# Altium PCB STM32F103最小系统板.PcbDoc (part 2 of 2) (continued)
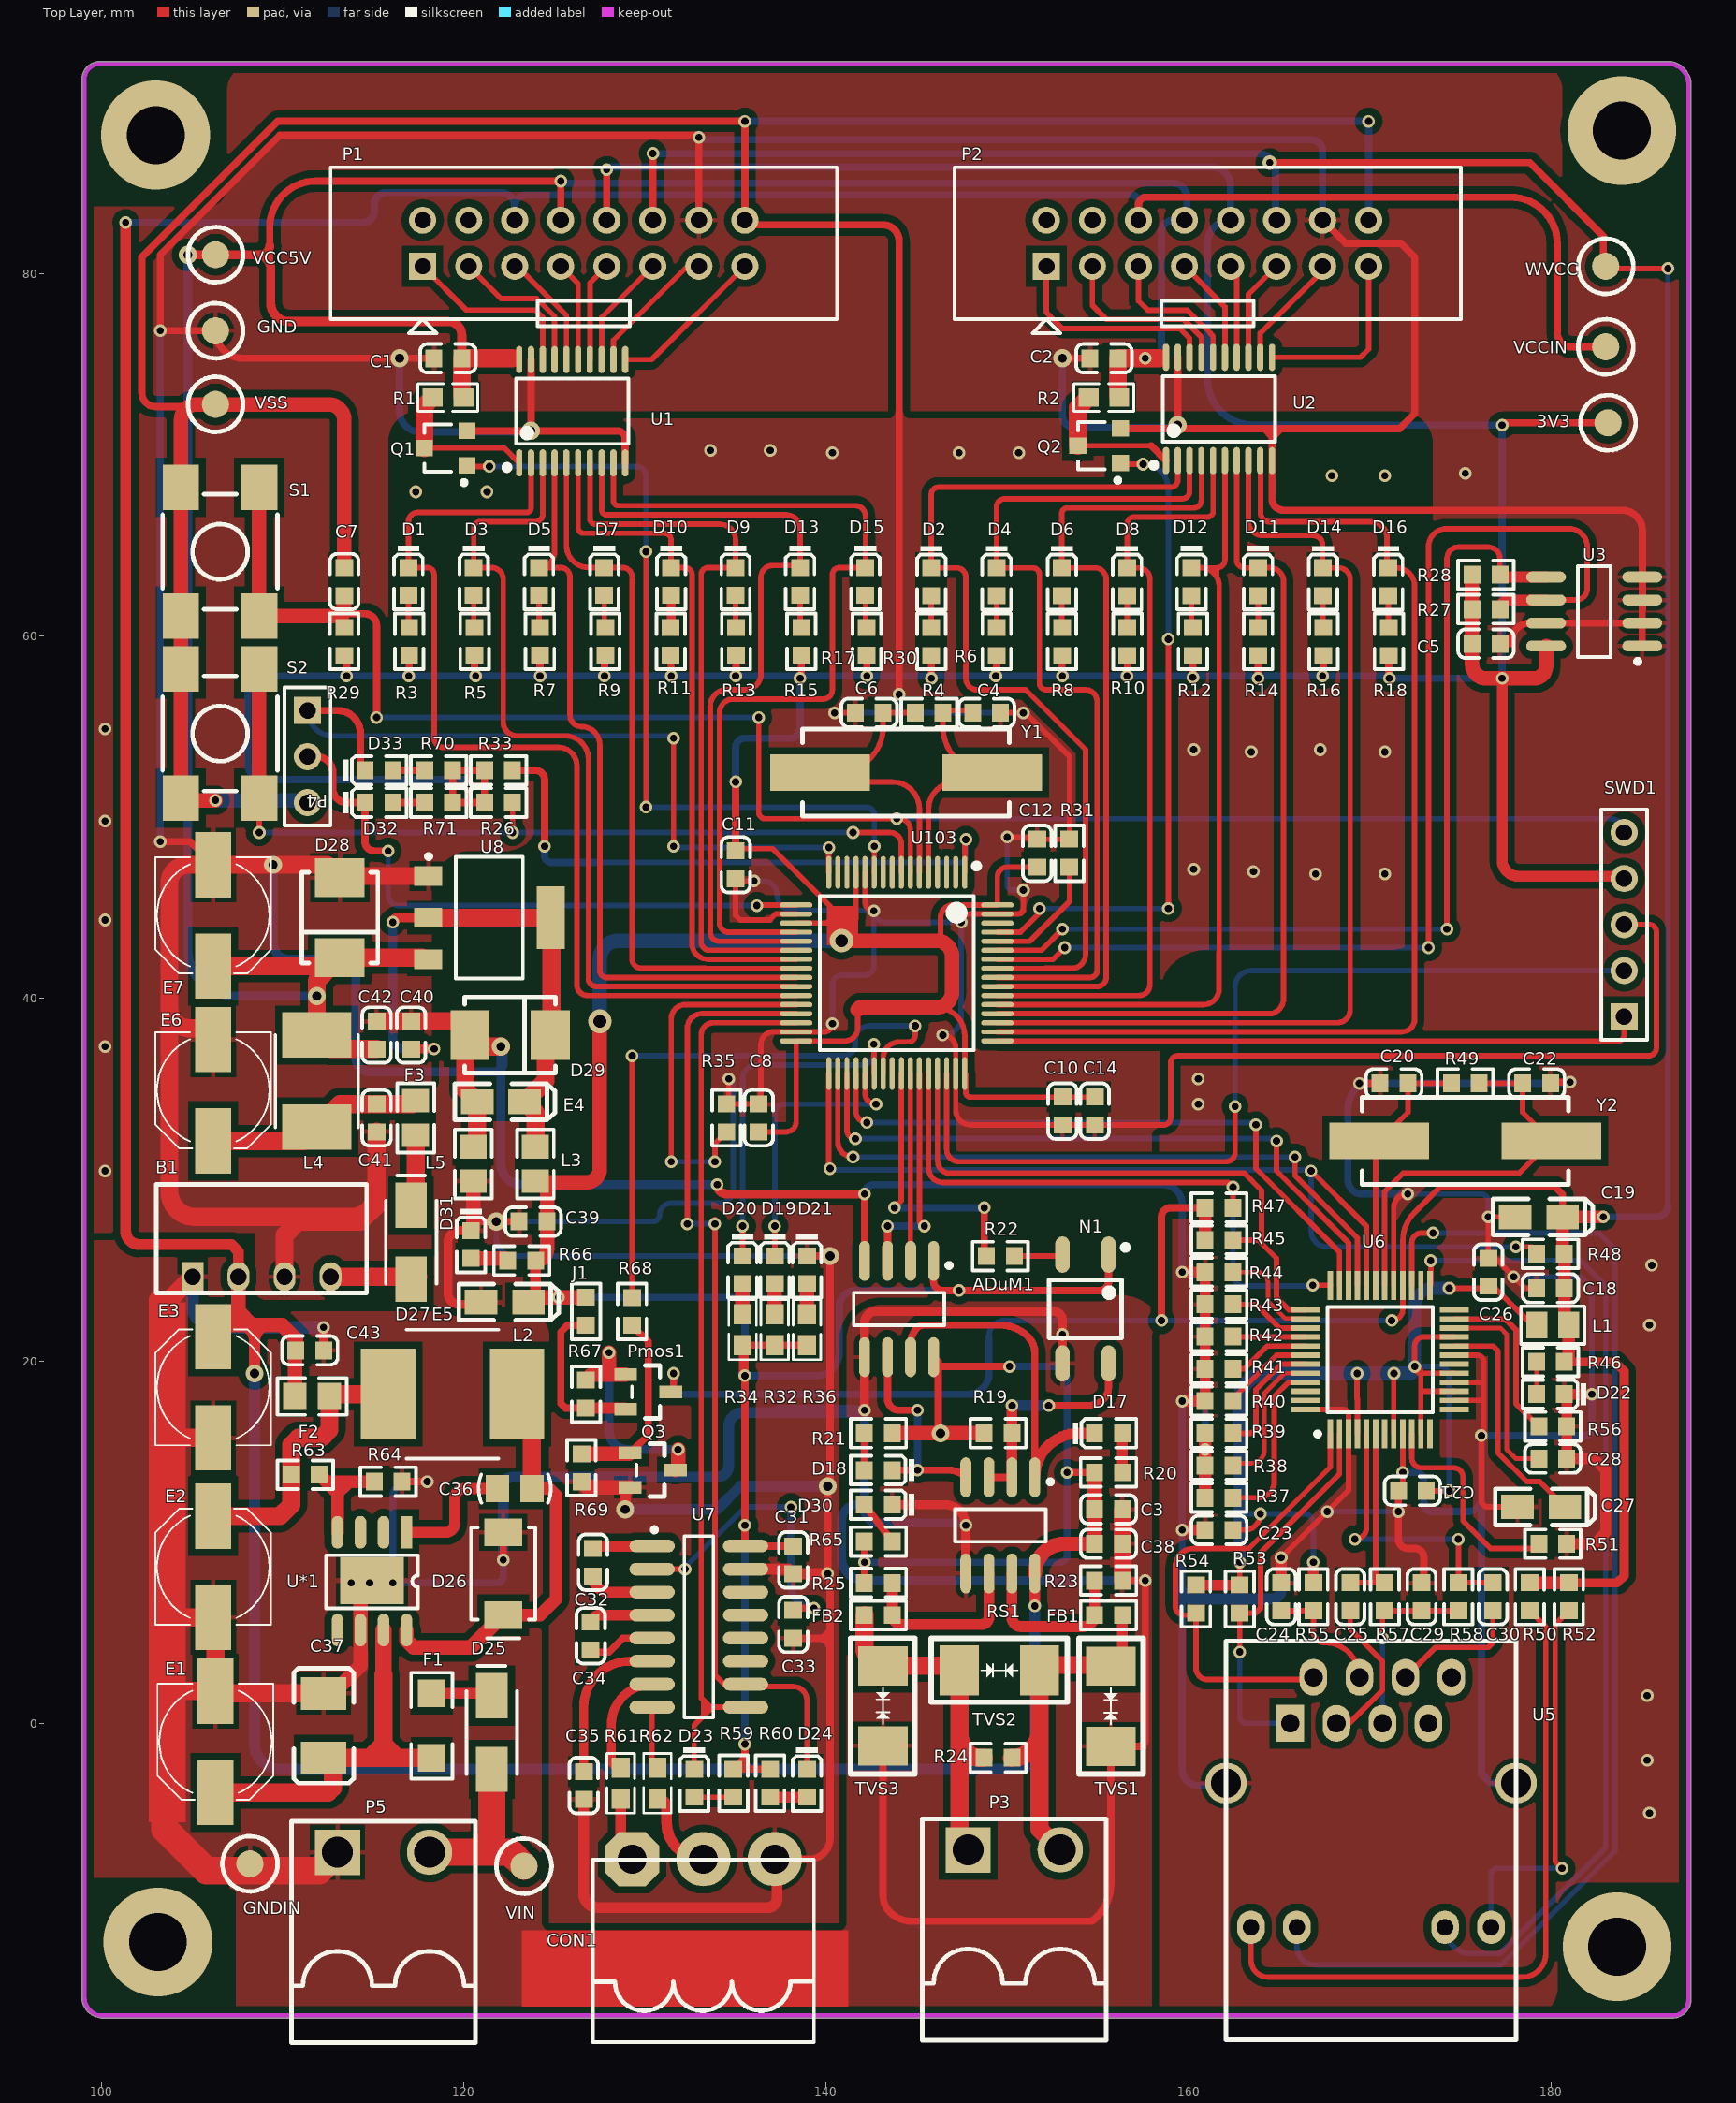
[diagram p0: Top Layer view]
## Nets (pads, with @x,y where several pads share a name; then routed paths per layer and width w, separated by ;. In a path a pad name is that pad's centre, name@x,y a point inside that pad or via, vN(x,y) a via of type N, cw(c..) or ccw(c..) an arc to the next point about the centre after c; other vN are vias at no path point) (continued)
NetR51_1: R51.1 U6.10 | length 12.1
  Top Layer w0.3: U6.10@172.311,15.966 172.311,14.633 ccw(c172.847,14.633) 172.847,14.097 174.625,14.097 cw(c174.625,13.589) 175.133,13.589 175.133,11.176 176.657,9.652 179.062,9.652 R51.1@179.316,9.906
NetR52_1: R52.1 U5.12 | length 21.7
  Top Layer w0.3: v1(180.594,-8.001) 180.213,-7.62 180.213,5.453 R52.1@180.975,6.215
  Bottom Layer w0.3: U5.12@176.682,-11.25 176.682,-8.23 176.911,-8.001 v1(180.594,-8.001)
NetR56_1: R56.1 U6.23 | length 9.5
  Top Layer w0.3: U6.23@174.661,22.316 177.455,22.316 178.054,21.717 178.054,17.645 R56.1@179.316,16.383
NetR63_1: R63.1 R64.2 U*1.4 | length 7.1
  Top Layer w0.7: R63.1@112.022,13.716 R63.1@112.403,13.335 ; U*1.4@113.03,10.541 113.03,12.708 ; R64.2@115.054,13.335 113.538,13.335 ; R63.1@112.403,13.335 113.03,12.708 ; R63.1@112.403,13.335 113.538,13.335 ; 113.03,12.708 113.538,13.216 113.538,13.335
NRST: C7.2 R29.1 S1.2 S1.3 SWD1.5 U103.7 | length 99.4
  Top Layer w0.3: v1(136.271,55.499) 136.271,50.292 ccw(c136.652,50.292) 136.652,49.911 v1(143.891,49.911) 144.03,49.911 cw(c144.03,49.3) 144.641,49.3 U103.7@144.641,46.952
  Top Layer w0.4: 113.411,61.214 114.554,61.214 cw(c114.554,60.579) 115.189,60.579 v1(115.189,55.499)
  Top Layer w0.5: R29.1@113.411,60.46 113.411,61.214 113.411,61.849 C7.2@113.411,62.222
  Top Layer w0.8: S1.3@108.712,68.199 S1.2@108.712,61.087 112.649,61.087 ccw(c112.649,61.849) C7.2@113.411,61.849
  Bottom Layer w0.3: v1(115.189,55.499) v1(136.271,55.499) ; v1(143.891,49.911) 183.261,49.911 cw(c183.261,49.149) SWD1.5@184.023,49.149
PA1_RS485_RD: R22.1 U103.41 | length 15.2
  Top Layer w0.3: v1(143.764,28.448) 144.141,28.825 U103.41@144.141,35.852
  Top Layer w0.4: v1(148.717,28.448) 148.717,25.916 148.844,25.789 R22.1@148.836,25.781
  Bottom Layer w0.4: v1(143.764,28.448) v1(148.717,28.448)
PA2_USART2_TX: D32.K P4.1 U103.16 | length 43
  Top Layer w0.3: v1(131.572,48.387) v1(131.572,54.356) ; U103.16@140.141,46.952 v1(140.141,48.32) ; v1(140.141,48.32) cw(c140.208,48.32) 140.208,48.387 v1(140.141,48.32)
  Top Layer w0.4: P4.1@111.379,55.88 113.03,55.88 cw(c113.03,54.61) 114.3,54.61 114.3,52.824 ccw(c114.546,52.824) D32.K@114.546,52.578
  Bottom Layer w0.3: P4.1@111.379,55.88 ccw(c112.776,55.88) 112.776,54.483 131.445,54.483 cw(c131.445,54.356) v1(131.572,54.356) ; v1(131.572,48.387) 131.639,48.32 v1(140.141,48.32)
PA3_USART2_RX: D33.K P4.2 U103.17 | length 34
  Top Layer w0.3: v1(136.178,45.119) 136.211,45.152 U103.17@138.341,45.152
  Top Layer w0.4: P4.2@111.379,53.34 111.887,53.34 cw(c111.887,52.451) 112.776,52.451 112.776,51.562 ccw(c113.538,51.562) 113.538,50.8 D33.K@114.546,50.8 114.546,48.649 ccw(c115.062,48.649) 115.062,48.133 v1(115.824,48.133)
  Bottom Layer w0.3: v1(115.824,48.133) 115.824,45.72 ccw(c116.425,45.72) 116.425,45.119 v1(136.178,45.119)
PA9_USART1_TX: ADuM1.2 U103.42 | length 10.3
  Top Layer w0.3: U103.42@144.641,35.852 144.641,25.516 144.651,25.516 ADuM1.2@144.653,25.514
PA10_USART1_RX: ADuM1.3 U103.43 | length 12.5
  Top Layer w0.3: U103.43@145.141,35.852 145.141,27.696 145.151,27.696 ccw(c145.415,27.696) v1(145.415,27.432)
  Top Layer w0.4: ADuM1.3@143.383,25.514 v1(143.383,27.432)
  Bottom Layer w0.4: v1(143.383,27.432) v1(145.415,27.432)
PB10_USART3_TX: D24.K U7.10 U103.29 | length 53.5
  Top Layer w0.3: v1(132.334,27.559) 132.334,38.354 cw(c133.132,38.354) 133.132,39.152 U103.29@138.341,39.152 ; v1@133.858,27.806 v1(133.858,27.559) 133.858,2.667 134.366,2.159 U7.10@135.546,2.159 ccw(c135.673,2.159) 135.673,2.032 138.176,2.032 cw(c138.176,1.27) 138.938,1.27 D24.K@138.938,-2.532
  Bottom Layer w0.3: v1(132.334,27.559) v1(133.858,27.559)
PB11_USART3_RX: D23.K U7.9 U103.30 | length 49.9
  Top Layer w0.3: D23.K@132.715,-2.532 132.715,-0.092 133.223,0.416 ; 133.223,1.27 133.223,0.416 ; 133.242,0.908 133.585,0.908 ; U7.9@135.546,0.889 133.985,0.889 cw(c133.985,2.794) 133.716,0.908 ; U103.30@138.341,38.652 133.775,38.652 ccw(c133.775,37.973) 133.096,37.973 133.096,1.397 133.585,0.908 ; 133.223,0.416 133.716,0.908 ; 133.585,0.908 133.716,0.908
PB13_SPI2_SCK: U6.33 U103.34 | length 38
  Top Layer w0.3: U103.34@140.641,35.852 140.641,32.079 ccw(c141.478,32.079) v1(141.478,31.242) ; v1(165.862,31.242) 165.862,30.226 169.311,26.777 U6.33@169.311,24.166
  Bottom Layer w0.3: v1(141.478,31.242) v1(165.862,31.242)
PB14_SPI2_MISO: U6.34 U103.35 | length 36.9
  Top Layer w0.3: U103.35@141.141,35.852 141.141,32.722 ccw(c141.605,32.722) v1(141.605,32.258) v1@141.732,32.258 ; v1(164.846,32.131) 164.846,30.48 168.811,26.515 U6.34@168.811,24.166
  Bottom Layer w0.3: v1(141.605,32.258) 164.719,32.258 v1(164.846,32.131)
PB15_SPI2_MOSI: U6.35 U103.36 | length 35.3
  Top Layer w0.3: U103.36@141.641,35.852 141.641,33.746 ccw(c142.24,33.746) v1(142.24,33.147) ; v1(163.703,33.02) 163.703,30.607 168.311,25.999 U6.35@168.311,24.166
  Bottom Layer w0.3: v1(142.24,33.147) 163.576,33.147 v1(163.703,33.02)
R232_R: R62.2 U7.8 | length 3.5
  Top Layer w0.3: U7.8@130.392,0.889 130.392,-2.161 ccw(c130.683,-2.161) R62.2@130.683,-2.452
R232_T: R61.2 U7.7 | length 6.2
  Top Layer w0.5: R61.2@128.651,-2.452 cw(c128.651,-1.944) 128.143,-1.944 128.143,-0.09 cw(c130.392,-0.09) U7.7@130.392,2.159
RCT: C29.2 R57.2 R58.2 U5.5 | length 10.2
  Top Layer w0.3: v1(170.688,4.699) R57.2@170.688,6.088 ; R57.2@170.815,6.215 R58.2@174.879,6.215
  Bottom Layer w0.3: U5.5@170.688,0 v1(170.688,4.699)
RXN: C30.1 R58.1 U6.5 | length 16.2
  Top Layer w0.3: v1(169.164,10.16) ccw(c169.164,10.807) 169.811,10.807 U6.5@169.811,15.966 ; v1(174.879,10.16) R58.1@174.879,7.755 C30.1@176.784,7.755
  Bottom Layer w0.3: v1(169.164,10.16) v1(174.879,10.16)
RXNNET: C30.2 U5.6 | length 7.4
  Top Layer w0.3: U5.6@171.958,2.54 173.609,4.191 176.53,4.191 176.784,4.445 C30.2@176.784,6.215
RXP: C25.1 R57.1 U6.6 | length 10.8
  Top Layer w0.3: C25.1@168.91,7.755 R57.1@170.815,7.755 170.311,8.259 ; 170.311,7.759 170.311,8.259 ; U6.6@170.311,15.966 170.311,8.259
RXPNET: C25.2 U5.3 | length 8.4
  Top Layer w0.3: U5.3@168.148,0 168.861,0 170.688,1.827 170.688,3.429 168.91,5.207 C25.2@168.91,6.215
S1: R33.1 S2.1 S2.4 U103.8 | length 48
  Top Layer w0.3: v1(108.712,49.149) S2.4@108.712,51.054 ; v1(122.69,49.149) R33.1@122.69,50.8 ; v1(141.478,49.149) 143.506,49.149 cw(c143.506,48.514) 144.141,48.514 U103.8@144.141,46.952
  Top Layer w0.8: S2.4@108.712,51.054 S2.1@108.712,58.166
  Bottom Layer w0.3: v1(108.712,49.149) v1(141.478,49.149)
STM_SWC: SWD1.1 U103.49 | length 35.8
  Top Layer w0.3: U103.49@149.441,37.652 183.702,37.652 ccw(c183.702,37.973) 184.023,37.973 SWD1.1@184.023,38.989
STM_SWD: SWD1.2 U103.46 | length 51.9
  Top Layer w0.3: U103.46@146.641,35.852 146.641,31.667 ccw(c147.32,31.667) 147.32,30.988 162.052,30.988 ccw(c162.052,31.496) 162.56,31.496 v1(162.56,34.036)
  Bottom Layer w0.3: v1(162.56,34.036) 162.56,40.64 cw(c163.449,40.64) 163.449,41.529 181.864,41.529 SWD1.2@184.023,41.529
TCT: C24.1 R55.2 U5.4 | length 6.9
  Top Layer w0.3: C24.1@165.1,6.215 R55.2@166.878,6.215 166.878,5.08 ccw(c167.513,5.08) 167.513,4.445 cw(c167.513,2.54) U5.4@169.418,2.54
TXN: R54.2 U5.2 U6.1 | length 26.4
  Top Layer w0.3: U5.2@166.878,2.54 cw(c166.751,2.54) 166.751,2.413 161.036,2.413 cw(c161.036,3.048) 160.401,3.048 R54.2@160.401,6.088 cw(c160.282,6.088) 160.282,5.969 159.766,5.969 cw(c159.766,6.477) 159.258,6.477 159.258,8.636 cw(c160.274,8.636) 160.274,9.652 163.322,9.652 167.811,14.141 U6.1@167.811,15.966
TXP: R53.2 U5.1 U6.2 | length 21.4
  Top Layer w0.3: v1(162.814,3.937) R53.2@162.814,6.088 163.695,6.088 163.957,6.35 163.957,9.398 168.311,13.752 U6.2@168.311,15.966
  Bottom Layer w0.3: v1(162.814,3.937) 162.814,0.254 163.068,0 U5.1@165.608,0
VCC3.3: C18.2 C19.1 L1.1 P1.12 P2.12 Pmos1.3 R37.1 R38.1 R39.1 R45.1 R46.2 R47.1 R48.1 R50.2 R52.2 U6.28 WVCC.1 | length 237.3
  Top Layer w0.3: v1(171.196,22.225) ccw(c171.196,22.84) 171.811,22.84 U6.28@171.811,24.166 171.811,26.613 cw(c174.047,26.613) 172.466,28.194 173.683,29.411 cw(c174.117,28.978) 174.117,29.591 ; WVCC.1@183.007,80.391 ccw(c183.134,80.391) 183.134,80.264 v1(186.436,80.264)
  Top Layer w0.4: P1.12@130.429,82.931 v1(130.429,86.614) ; Pmos1.3@131.425,18.288 131.572,18.141 v1(131.572,19.304) ; v1(158.496,22.225) 158.496,27.94 cw(c159.004,27.94) 159.004,28.448 R47.1@160.901,28.448 ; v5(164.465,86.106) 178.816,86.106 182.88,82.042 182.88,81.026 cw(c182.626,81.026) WVCC.1@182.626,80.772 ; 173.863,29.591 174.117,29.591 180.213,29.591 180.634,29.17 C19.1@180.634,27.94
  Top Layer w0.5: R46.2@180.729,19.939 183.515,19.939 184.023,19.431 184.023,8.128 183.65,7.755 R52.2@180.975,7.755
  Top Layer w0.7: R37.1@160.901,12.446 R38.1@160.901,14.224 R39.1@160.901,16.002 ; R45.1@160.901,26.67 R47.1@160.901,28.448 ; R50.2@178.816,7.755 R52.2@180.975,7.755 ; R48.1@180.634,26.003 C19.1@180.634,27.94 v1(182.88,27.94) ; L1.1@180.729,22.203 C18.2@180.729,24.003 R48.1@180.729,25.908 ; R46.2@180.961,20.171 L1.1@180.961,21.971
  Bottom Layer w0.3: 148.971,21.358 cw(c149.838,21.358) 149.838,22.225 v1(158.496,22.225) 160.147,22.225 160.568,22.225 161.544,22.225 v1(171.196,22.225) ; 186.436,28.575 186.436,80.01 cw(c186.69,80.01) 186.69,80.264 v1(186.436,80.264)
  Bottom Layer w0.4: v1(130.429,86.614) 130.441,86.602 163.842,86.602 cw(c163.842,85.656) 164.788,85.656 164.788,82.989 ccw(c164.846,82.989) P2.12@164.846,82.931 ; v1(131.572,19.304) 131.572,18.542 ccw(c131.953,18.542) 131.953,18.161 147.828,18.161 ; 148.082,18.161 147.828,18.161 ; 148.971,19.05 148.971,19.304 ; 148.971,21.358 148.971,19.304 ; 160.147,22.225 cw(c160.147,21.463) 160.488,22.145 ; 160.568,22.225 ccw(c160.568,22.145) 160.488,22.145 ; v1(160.909,15.113) 160.909,21.463 ; 161.544,22.225 ccw(c161.544,21.59) 160.909,21.59 160.909,21.463 ; v1(182.88,27.94) 185.801,27.94 ccw(c185.801,28.575) 186.436,28.575 ; 147.828,18.161 ccw(c147.828,19.304) 148.971,19.304 ; 160.488,22.145 cw(c160.147,21.463) 160.909,21.463
VCC5V: C1.2 C2.2 C42.2 D28.2 E7.1 L4.2 P1.8 P2.8 R1.2 R2.2 U1.20 U2.20 U8.3 VCC5V.1 | length 163.9
  Top Layer w0.4: 109.292,80.547 109.292,82.55 cw(c111.832,82.55) 111.832,85.09 v1(125.349,85.09) P1.8@125.349,82.931
  Top Layer w0.5: v2(104.775,81.026) VCC5V.1@106.299,81.026 108.585,81.026 ; 109.292,81.534 cw(c108.784,81.534) 108.784,81.026 108.585,81.026 ; C1.2@119.896,75.311 119.896,76.573 ccw(c119.126,76.573) 119.126,77.343 110.363,77.343 cw(c110.363,78.359) 109.347,78.359 109.347,80.264 ccw(c108.585,80.264) 109.292,80.547 ccw(c108.585,80.264) 108.585,81.026
  Top Layer w1: E7.1@106.172,41.783 D28.2@112.7,41.783 ; C42.2@115.189,37.203 112.657,37.203 L4.2@111.887,37.973 v2(111.887,40.132) 111.887,40.97 D28.2@112.7,41.783 ; U8.3@117.783,42.15 117.693,42.24 D28.2@113.157,42.24 D28.2@112.7,41.783 ; R1.2@119.896,73.232 C1.2@119.896,75.311 122.682,75.311 ; R2.2@156.091,73.232 C2.2@156.091,75.311 v1(157.607,75.311) 158.369,75.311
  Bottom Layer w0.4: v1(125.349,85.09) 125.464,84.975 159.119,84.975 cw(c159.119,84.201) 159.893,84.201 159.893,83.312 cw(c159.639,83.312) 159.639,83.058 P2.8@159.766,82.931 159.131,82.931 ccw(c159.131,82.296) 158.496,82.296 158.496,75.819 cw(c157.988,75.819) 157.988,75.311 v1(157.607,75.311)
  Bottom Layer w0.5: v2(104.775,81.026) 104.775,42.672 ccw(c107.315,42.672) 107.315,40.132 v2(111.887,40.132)
VCC_1.2V: C28.1 U6.22 | length 11.4
  Top Layer w0.254: U6.22@174.661,21.816 177.193,21.816 177.546,21.463 177.546,15.113 178.054,14.605 C28.1@179.316,14.605
VCCIN5V: ADuM1.8 B1.2 C3.2 C38.1 C43.1 E3.1 F2.2 P1.6 P2.6 R19.1 R20.2 R21.1 R25.2 R65.2 RS1.8 VCCIN.1 | length 302.1
  Top Layer w0.4: R25.2@142.105,7.747 v1(142.105,8.89) R65.2@142.105,10.033 ; v2@146.177,16.002 146.177,19.952 ADuM1.8@145.923,20.206 ccw(c146.444,20.206) 146.444,19.685 v1(150.114,19.685) ; v1(153.289,13.843) R20.2@154.805,13.843 ; P2.6@157.226,82.931 157.226,83.767 cw(c157.66,83.767) 157.66,84.201 177.753,84.201 cw(c177.753,81.614) 180.34,81.614 180.34,76.708 ccw(c181.102,76.708) 181.102,75.946 VCCIN.1@183.007,75.946
  Top Layer w0.6: v1(101.346,82.804) 101.346,27.178 ccw(c102.108,27.178) 102.108,26.416 107.188,26.416 107.569,26.035 B1.2@107.569,24.638 ; 107.569,21.971 cw(c107.569,21.082) 108.458,21.082 ; 108.331,21.971 cw(c108.331,21.844) 108.458,21.844 108.458,21.082 ; v2(108.458,19.304) 108.458,21.082 ; 109.474,21.971 109.347,21.971 ccw(c109.347,21.082) 108.458,21.082 ; v1(151.511,6.477) RS1.8@151.511,8.268
  Top Layer w0.8: E3.1@106.172,21.336 E3.1@106.807,21.971 ; E3.1@106.299,21.717 106.553,21.971 E3.1@106.807,21.971 ; B1.2@107.569,24.638 107.569,22.733 ; F2.2@110.683,18.034 C43.1@110.683,20.394 ; C43.1@110.736,20.574 110.736,21.217 109.982,21.971 109.347,21.971 108.331,21.971 ; R21.1@143.645,16.002 R19.1@148.709,16.002 ; RS1.8@151.511,8.268 cw(c153.149,8.268) 153.149,9.906 C38.1@154.805,9.906 R20.2@154.805,13.843 ; E3.1@106.807,21.971 107.569,21.971 ; E3.1@106.807,21.971 107.569,22.733 ; 107.569,21.971 108.331,21.971 ; 107.569,21.971 107.569,22.733 ; 107.569,22.733 108.331,21.971
  Bottom Layer w0.4: v1(101.346,82.804) 114.427,82.804 ccw(c114.427,83.439) 115.062,83.439 115.062,83.82 cw(c115.697,83.82) 115.697,84.455 122.047,84.455 cw(c122.047,83.693) 122.809,83.693 ; P1.6@122.809,82.931 122.809,83.693 ; v1(142.105,8.89) 152.908,8.89 ccw(c152.908,9.271) 153.289,9.271 v1(153.289,13.843) 153.289,18.923 ccw(c152.527,18.923) 152.527,19.685 v1(150.114,19.685) ; P2.6@157.226,82.931 157.226,83.947 ccw(c156.845,83.947) 156.845,84.328 123.444,84.328 ccw(c123.444,83.693) 122.809,83.693
  Bottom Layer w0.5: P2.6@157.226,82.931 ccw(c157.226,83.185) P2.6@157.48,83.185
  Bottom Layer w0.6: v2(108.458,19.304) 108.458,-1.143 ccw(c109.855,-1.143) 109.855,-2.54 150.495,-2.54 ccw(c150.495,-1.524) 151.511,-1.524 v1(151.511,6.477)
  other v2: 146.304,16.002
VIN: D25.1 P5.2 VIN.1 | length 10.9
  Top Layer w0.5: P5.2@118.11,-7.112 cw(c118.11,-7.239) P5.2@118.237,-7.239
  Top Layer w1.5: P5.2@118.11,-7.112 120.777,-7.112 ; D25.1@121.539,-2.286 D25.1@121.539,-2.54 121.539,-6.35 120.777,-7.112 ; VIN.1@123.317,-7.874 122.555,-7.112 120.777,-7.112
VSS: C4.1 C6.1 C7.1 C8.1 C10.1 C11.1 C12.1 C14.1 C31.1 C33.2 C35.2 C39.1 CON1.3 D21.K D31.K E5.2 L5.2 P1.16 P2.16 P4.3 Q3.2 R31.1 R35.1 R69.1 S1.1 S1.4 S2.2 S2.3 SWD1.3 U7.15 U103.12 U103.18 U103.31 U103.47 U103.63 VSS.1 | length 444.9
  Top Layer w0.3: S1.4@104.267,68.326 ccw(c104.394,68.326) S1.4@104.394,68.199 ; v1(134.62,35.56) 134.62,34.552 134.366,34.298 ccw(c134.493,34.298) R35.1@134.493,34.171 C8.1@136.271,34.171 ccw(c136.271,34.298) 136.398,34.298 136.398,37.465 cw(c137.085,37.465) 137.085,38.152 U103.31@138.341,38.152 139.879,38.152 ccw(c139.879,38.608) v1(140.335,38.608) ; v1(136.017,46.474) 135.001,46.474 135.001,44.577 135.255,44.323 136.88,44.323 137.209,44.652 U103.18@138.341,44.652 ; v1(140.462,55.753) C6.1@141.597,55.753 ; U103.12@142.141,46.952 142.141,45.311 ccw(c142.621,45.311) v1(142.621,44.831) ; v1(146.431,37.973) cw(c146.431,37.263) 147.141,37.263 U103.47@147.141,35.852 147.141,33.834 ccw(c147.955,33.834) 147.955,33.02 154.813,33.02 C14.1@154.813,33.012 158.615,33.012 ccw(c158.615,33.401) 159.004,33.401 159.004,36.449 cw(c159.385,36.449) 159.385,36.83 185.367,36.83 ccw(c185.367,37.264) 185.801,37.264 185.801,43.688 ccw(c185.42,43.688) 185.42,44.069 SWD1.3@184.023,44.069 ; v1(147.447,44.196) cw(c147.903,44.196) 147.903,44.652 U103.63@149.441,44.652 150.57,44.652 ccw(c150.57,44.958) 150.876,44.958 v1(150.876,45.974) ; C4.1@149.614,55.88 149.741,55.753 v1(150.876,55.753) 151.003,55.753 153.416,53.34 R31.1@153.416,48.776 C12.1@151.638,48.776 ; v1(149.987,48.895) C12.1@151.519,48.895 ; C12.1@151.519,48.895 cw(c151.519,48.776) C12.1@151.638,48.776 ; C12.1@151.519,48.895 cw(c151.519,48.776) C12.1@151.638,48.776 ; C12.1@151.519,48.895 cw(c151.519,48.776) C12.1@151.638,48.776
  Top Layer w0.4: VSS.1@106.299,72.771 cw(c106.172,72.771) 106.172,72.644 104.809,72.644 102.997,72.644 cw(c102.997,73.406) 102.235,73.406 102.235,80.899 109.728,88.392 v1(135.509,88.392) P1.16@135.509,82.931 ccw(c135.763,82.931) 135.763,82.677 143.129,82.677 cw(c143.129,81.788) 144.018,81.788 v1(144.018,56.769) ; D31.K@120.523,27.313 120.896,27.686 v2(121.793,27.686) C39.1@123.055,27.686 ; CON1.3@137.287,-7.62 cw(c137.414,-7.62) 137.414,-7.493 139.065,-7.493 ccw(c139.065,-6.35) 140.208,-6.35 140.208,4.064 ; C33.2@138.176,4.691 139.565,4.691 ; D21.K@138.938,25.789 139.827,25.789 cw(c139.827,25.408) 140.208,25.408 140.208,13.208 cw(c140.081,13.208) v2(140.081,13.081) v1(140.081,8.255) cw(c140.081,8.128) 140.208,8.128 140.208,5.334 ; 139.565,4.691 ccw(c139.565,5.334) 139.581,4.691 ; 139.565,4.691 139.581,4.691 ; 139.581,4.691 ccw(c139.565,5.334) 140.208,5.334 ; 139.581,4.691 cw(c139.581,4.064) 140.208,4.064 ; 140.208,4.064 140.208,5.334
  Top Layer w0.5: D31.K@120.396,27.186 119.773,27.186 ccw(c119.773,26.539) 119.126,26.539 119.126,23.749 ccw(c119.761,23.749) 119.761,23.114 120.824,23.114 ccw(c120.824,23.241) E5.2@120.951,23.241 ; Q3.2@129.179,13.02 ccw(c129.245,13.02) Q3.2@129.245,12.954
  Top Layer w0.6: C35.2@126.619,-4.199 126.619,-9.398 ccw(c127.381,-9.398) 127.381,-10.16 136.779,-10.16 ccw(c136.779,-9.652) 137.287,-9.652 137.287,-7.62 ccw(c137.16,-7.62) CON1.3@137.16,-7.493 ; v2(128.905,11.811) 128.905,12.746 cw(c129.179,12.746) Q3.2@129.179,13.02 ; U7.15@135.546,8.509 137.914,8.509 C31.1@138.176,8.247 138.176,8.255 v1(140.081,8.255)
  Top Layer w0.8: v1(106.299,50.927) S2.3@104.521,50.927 ; C7.1@113.411,63.762 113.411,71.882 ccw(c112.522,71.882) 112.522,72.771 VSS.1@106.299,72.771 105.261,72.771 ccw(c105.261,71.904) 104.809,72.644 ccw(c105.261,71.904) 104.394,71.904 S1.4@104.394,68.199 S1.1@104.394,61.087 S2.2@104.394,58.166 S2.3@104.394,51.054 ; D31.K@120.523,27.313 L5.2@120.523,29.911 ; R69.1@126.492,13.327 126.799,13.02 Q3.2@129.179,13.02 ; S2.3@104.394,51.054 ccw(c104.521,51.054) S2.3@104.521,50.927 ; S2.3@104.394,51.054 ccw(c104.521,51.054) S2.3@104.521,50.927
  Bottom Layer w0.3: v1(134.62,35.56) cw(c134.62,35.306) 134.874,35.306 134.874,29.464 cw(c134.112,29.464) 134.112,28.702 131.445,28.702 ccw(c131.445,28.067) 130.81,28.067 cw(c130.429,28.067) 130.429,27.686 v2(121.793,27.686) 121.793,26.797 ccw(c122.809,26.797) 122.809,25.781 v2(140.208,25.781) ; v1(136.017,46.474) 136.533,46.474 cw(c136.533,45.72) 137.287,45.72 ccw(c138.176,45.72) 138.176,44.831 v1(142.621,44.831) ; v1(140.335,38.608) 140.335,40.767 cw(c140.843,40.767) 140.843,41.275 142.113,41.275 ccw(c142.113,41.783) 142.621,41.783 v1(142.621,44.831) ; v1(140.462,55.753) 144.018,55.753 v1(150.876,55.753) ; v1(146.431,37.973) ccw(c146.431,38.989) 147.447,38.989 v1(147.447,44.196) 143.256,44.196 cw(c143.256,44.831) v1(142.621,44.831) ; v1(149.987,48.895) 149.987,46.228 ccw(c150.241,46.228) 150.241,45.974 v1(150.876,45.974) ; v1@169.787,88.38 v1@169.926,88.38 ; 185.293,44.069 185.42,44.069
  Bottom Layer w0.4: v1(135.509,88.392) 169.775,88.392 169.787,88.38 169.799,88.392 v1(169.926,88.392) 169.926,88.38 P2.16@169.926,82.931 ; 144.018,55.753 v1(144.018,56.769)
  Bottom Layer w0.6: v2(128.905,11.811) 133.985,11.811 135.255,13.081 v2(140.081,13.081)
  Bottom Layer w0.8: v1(106.299,50.927) 111.252,50.927 cw(c111.252,50.8) P4.3@111.379,50.8
  other v1: 167.005,46.863 170.815,46.863 163.576,46.99 160.274,47.117 163.449,53.594 170.815,53.594 160.274,53.721 167.259,53.721 140.335,70.104 147.32,70.104 150.622,70.104 133.604,70.231 136.906,70.231
pads on no net: P1.2 P1.4 P2.2 P2.4 U5.7 U5.8 U6.7 U6.12 U6.13 U6.18 U6.24 U6.26 U6.46 U6.47 U7.11 U7.12 U7.13 U7.14 U103.2 U103.3 U103.4 U103.9 U103.10 U103.14 U103.15 U103.40 U103.62 U*1.2 U*1.3 U*1.5
copper on no net:
  other v1: 117.348,67.945 121.285,67.945 167.894,68.834 170.815,68.834
  other v3: 183.642,-12.319 103.124,-12.065 102.997,87.63 183.896,87.884

## Polygon pours and split planes (outlines as drawn)
GNDIN on Top Layer "Bottom Layer-No Net" (solid, remove dead copper, pour order 24): 99.06,-8.001 99.06,27.178 107.315,27.178 cw(c107.315,25.781) 108.712,25.781 108.712,24.003 ccw(c109.982,24.003) 109.982,22.733 123.317,22.733 cw(c123.317,21.336) 124.714,21.336 124.714,-10.414 124.714,-10.922 ccw(c125.222,-10.922) 125.222,-11.43 126.619,-11.43 139.065,-11.43 ccw(c139.065,-9.525) 140.97,-9.525 140.97,21.082 cw(c143.51,21.082) 143.51,23.622 156.237,23.622 cw(c156.237,21.209) 158.65,21.209 158.65,-14.832 cw(c157.226,-14.832) 157.226,-16.256 107.823,-16.256 cw(c107.823,-15.875) 107.442,-15.875 107.442,-9.398 ccw(c107.188,-9.398) 107.188,-9.144 cw(c107.188,-9.017) 107.061,-9.017 ccw(c106.553,-9.017) 106.553,-8.509 105.283,-8.509 99.441,-8.509 cw(c99.441,-8.255) 99.187,-8.255 99.187,-7.747 ccw(c99.06,-7.747) 99.06,-7.62
VSS on Top Layer "Bottom Layer-No Net" (solid, remove dead copper, pour order 16): 123.317,54.737 cw(c123.317,53.975) 124.079,53.975 124.079,53.848 124.079,49.736 cw(c122.476,49.736) 122.476,48.133 120.424,48.133 ccw(c120.424,45.946) 118.237,45.946 118.237,23.476 ccw(c118.726,23.476) 118.726,22.987 123.698,22.987 cw(c123.698,21.971) 124.714,21.971 124.714,-10.922 ccw(c125.222,-10.922) 125.222,-11.43 140.247,-11.43 ccw(c140.247,-11.338) 140.339,-11.338 cw(c140.427,-11.338) 140.427,-11.25 140.462,-11.25 ccw(c140.462,-10.996) 140.716,-10.996 140.716,-8.128 140.716,21.205 cw(c143.006,21.205) 143.006,23.495 157.988,23.495 ccw(c157.988,23.876) 158.369,23.876 158.369,40.132 cw(c160.909,40.132) 160.909,42.672 163.83,42.672 171.069,42.672 ccw(c171.069,45.085) 173.482,45.085 173.482,69.977 ccw(c171.069,69.977) 171.069,72.39 117.475,72.39 ccw(c117.475,70.739) 115.824,70.739 115.824,55.88 ccw(c116.967,55.88) 116.967,54.737 123.317,54.737 ccw(c123.317,54.864) 123.444,54.864
GND on Top Layer "Bottom Layer-No Net" (solid, remove dead copper, pour order 12): 158.242,-16.129 178.816,-16.129 ccw(c178.816,-14.605) 180.34,-14.605 180.34,-10.287 cw(c181.864,-10.287) 181.864,-8.763 186.944,-8.763 ccw(c186.944,-8.128) 187.579,-8.128 187.579,81.915 ccw(c186.69,81.915) 186.69,82.804 181.61,82.804 cw(c181.61,83.82) 180.594,83.82 180.594,90.17 ccw(c179.197,90.17) 179.197,91.567 108.458,91.567 ccw(c108.458,90.043) 106.934,90.043 106.934,84.709 cw(c105.918,84.709) 105.918,83.693 99.187,83.693 cw(c99.187,83.82) 99.06,83.82 99.06,27.051 108.458,27.051 108.458,24.003 ccw(c109.093,24.003) 109.093,23.368 117.602,23.368 ccw(c117.602,24.003) 118.237,24.003 118.237,45.974 cw(c120.396,45.974) 120.396,48.133 122.301,48.133 ccw(c122.301,49.911) 124.079,49.911 124.079,53.848 ccw(c123.19,53.848) 123.19,54.737 117.475,54.737 cw(c117.475,56.388) 115.824,56.388 115.824,70.739 cw(c117.475,70.739) 117.475,72.39 171.704,72.39 cw(c171.704,70.612) 173.482,70.612 173.482,45.339 cw(c170.942,45.339) 170.942,42.799 166.878,42.799 160.909,42.799 ccw(c160.909,40.259) 158.369,40.259 158.369,-16.129
GNDIN on Bottom Layer "Bottom Layer-No Net" (solid, remove dead copper, pour order 22): 107.696,-16.129 cw(c108.013,-16.895) 108.331,-16.129 cw(c108.585,-16.742) 108.839,-16.129 157.988,-16.129 ccw(c158.178,-15.669) 158.369,-16.129 ccw(c157.019,-15.86) 158.369,-15.592 ccw(c157.167,-15.352) 158.369,-15.113 158.369,21.389 158.369,21.717 ccw(c156.591,21.717) 156.591,23.495 143.129,23.495 ccw(c143.129,21.209) 140.843,21.209 140.843,-9.906 cw(c139.319,-9.906) 139.319,-11.43 125.73,-11.43 cw(c125.73,-10.287) 124.587,-10.287 124.587,22.098 ccw(c123.825,22.098) 123.825,22.86 109.855,22.86 cw(c109.855,24.003) 108.712,24.003 108.712,25.908 ccw(c107.569,25.908) 107.569,27.051 99.06,27.051 99.06,-7.366 99.06,-7.874 ccw(c99.568,-7.874) 99.568,-8.382 105.918,-8.382 cw(c105.918,-9.779) 107.315,-9.779 107.315,-10.16 107.315,-16.129 108.966,-16.129
VSS on Bottom Layer "Bottom Layer-No Net" (solid, remove dead copper, pour order 18): 115.824,68.453 115.824,70.866 cw(c117.475,70.866) 117.475,72.517 171.069,72.517 cw(c171.069,69.977) 173.609,69.977 173.609,69.596 173.609,45.085 cw(c171.069,45.085) 171.069,42.545 170.942,42.545 160.909,42.545 ccw(c160.909,40.005) 158.369,40.005 158.369,39.751 158.369,24.13 cw(c157.734,24.13) 157.734,23.495 143.256,23.495 ccw(c143.256,20.955) 140.716,20.955 140.716,19.939 140.716,-10.668 cw(c139.827,-10.668) 139.827,-11.557 125.603,-11.557 cw(c125.603,-10.668) 124.714,-10.668 124.714,21.971 ccw(c123.825,21.971) 123.825,22.86 119.05,22.86 cw(c119.05,23.673) 118.237,23.673 118.237,45.593 cw(c120.777,45.593) 120.777,48.133 121.285,48.133 122.301,48.133 ccw(c122.301,50.038) 124.206,50.038 124.206,53.721 ccw(c123.19,53.721) 123.19,54.737 117.348,54.737 cw(c117.348,56.388) 115.697,56.388 115.697,68.453
GND on Bottom Layer "Bottom Layer-No Net" (solid, remove dead copper, pour order 14): 158.369,-16.129 cw(c158.559,-17.086) 158.75,-16.129 cw(c158.94,-17.086) 159.131,-16.129 cw(c159.321,-17.086) 159.512,-16.129 cw(c159.702,-17.086) 159.893,-16.129 170.18,-16.129 180.34,-16.129 180.34,-9.779 cw(c181.356,-9.779) 181.356,-8.763 187.198,-8.763 ccw(c187.198,-8.382) 187.579,-8.382 187.579,-7.493 187.579,82.042 ccw(c186.69,82.042) 186.69,82.931 181.483,82.931 ccw(c181.483,82.804) 181.356,82.804 ccw(c181.229,82.804) 181.229,82.931 181.102,82.931 cw(c181.102,83.439) 180.594,83.439 180.594,85.852 180.594,90.17 ccw(c179.197,90.17) 179.197,91.567 108.585,91.567 ccw(c108.585,89.916) 106.934,89.916 106.934,84.709 cw(c105.918,84.709) 105.918,83.693 99.06,83.693 99.06,27.051 108.204,27.051 cw(c108.204,26.797) 108.458,26.797 108.458,24.003 ccw(c109.093,24.003) 109.093,23.368 117.856,23.368 ccw(c117.856,23.749) 118.237,23.749 118.237,25.146 118.237,45.974 cw(c120.396,45.974) 120.396,48.133 122.428,48.133 ccw(c122.428,49.784) 124.079,49.784 124.079,53.975 ccw(c123.317,53.975) 123.317,54.737 116.967,54.737 cw(c116.967,55.118) 116.586,55.118 116.459,55.118 cw(c116.459,55.753) 115.824,55.753 115.824,59.055 115.824,70.866 cw(c117.348,70.866) 117.348,72.39 171.069,72.39 cw(c171.069,69.977) 173.482,69.977 173.482,45.212 cw(c170.942,45.212) 170.942,42.672 160.909,42.672 ccw(c160.909,40.132) 158.369,40.132 158.369,39.751 158.369,-16.002 ccw(c158.496,-16.002) 158.496,-16.129

## Keep-outs
Keep-Out Layer:
  lines w0.254: 187.579,90.424 ccw(c186.436,90.424) 186.436,91.567 186.404,91.567 99.949,91.567 ; 187.579,90.551 187.579,-15.24 cw(c186.69,-15.24) 186.69,-16.129 100.076,-16.129 cw(c100.076,-15.113) 99.06,-15.113 99.06,90.7 cw(c99.927,90.7) 99.949,91.567 ; 99.949,91.567 ccw(c99.949,91.567) 99.949,91.567

## Other copper
Top Layer:
  rectangle net GNDIN: 123.19,-15.621 141.224,-11.43
  rectangle net 3V3: 140.037,42.926 141.732,45.085
  region net GNDIN: 104.648,23.241 102.616,23.241 102.616,-5.461 104.648,-5.461